# Altium PCB NODE_ABZ.PcbDoc (part 2 of 2)
Units mm, origin at the board's own origin, x right, y up, seen from the top; angles counter-clockwise.
Board outline 34 x 50 mm, 4 copper layers (Top Layer, GND, PWR, Bottom Layer), stack 1.57 mm thick; 73 components, 55 nets, 274 pads, 253 vias.
Unrouted connection lines stored in the file: 1.
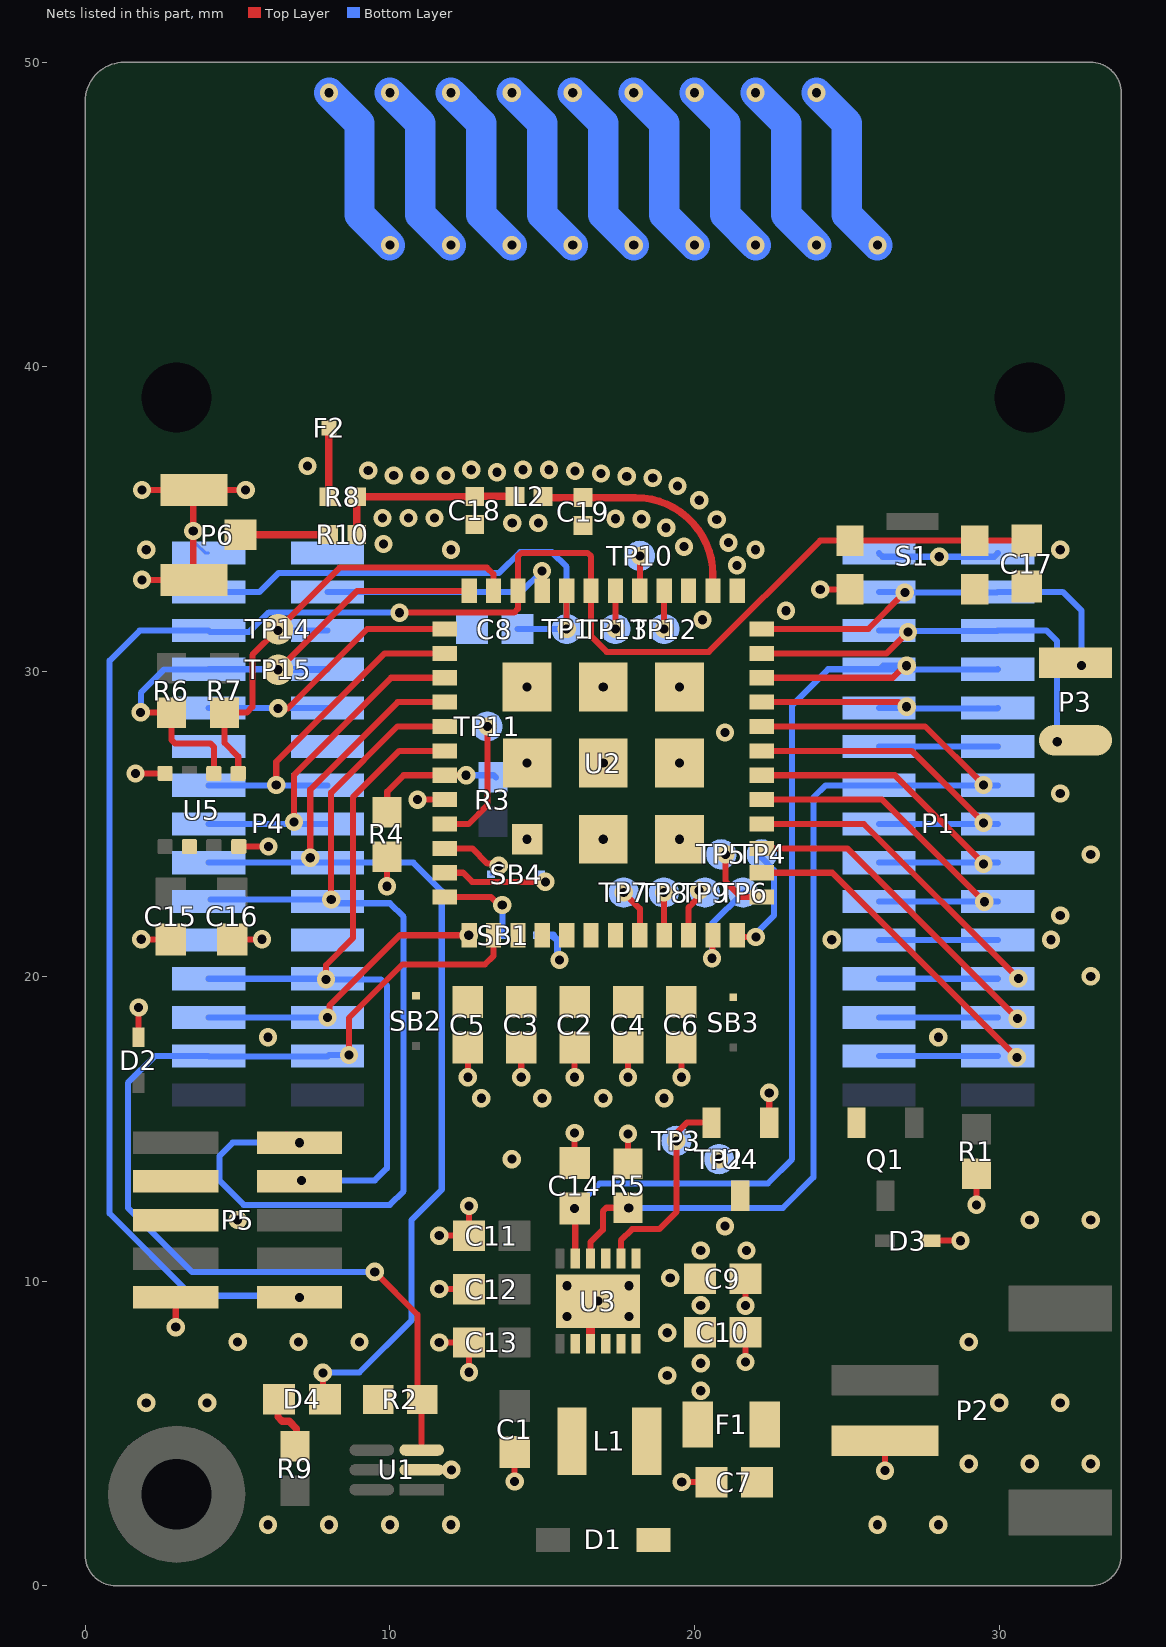
[diagram p4: the nets of this part, all layers, seen from the top]

## Via types
v1: diameter 0.6, hole 0.3, Top Layer to Bottom Layer, tented both sides, 225 vias
v2: diameter 0.6, hole 0.3, Top Layer to Bottom Layer, 20 vias
v3: diameter 0.68, hole 0.3, Top Layer to Bottom Layer, tented both sides, 8 vias

## Nets (pads, with @x,y where several pads share a name; then routed paths per layer and width w, separated by ;. In a path a pad name is that pad's centre, name@x,y a point inside that pad or via, vN(x,y) a via of type N, cw(c..) or ccw(c..) an arc to the next point about the centre after c; other vN are vias at no path point) (continued)
+VREF: C8.1 P4.4 TP1.1 U2.32 | length 17.4
  Top Layer w0.2: v1(15.8,31.4) U2.32@15.8,32.65
  Bottom Layer w0.2: P4.4@4.05,32.62 5.722,32.62 6.343,33.241 13.582,33.241 14.268,33.927 15.31,33.927 15.8,33.436 v1(15.8,31.4) C8.1@14.186,31.4
+Vsupply: C9.2 C10.2 F1.2 TP2.1 U3.1 U3.12 U4.3
  other v1: 20.2,6.4 19.1,6.9 20.2,7.3 19.1,8.3 20.2,9.2 19.2,10.1 20.2,11 21.7,11 21,11.8 20.8,14
ANT: C19.2 L2.2 U2.26 | length 7.7
  Top Layer w0.242: L2.2@15.02,35.868 ccw(c15.06,35.868) L2.2@15.06,35.828 ; L2.2@15.06,35.714 C19.2@16.336,35.714 18.06,35.714 cw(c18.06,33.174) 20.6,33.174 ; U2.26@20.6,32.65 20.6,33.288
GND: C1.1 C2.1 C3.1 C4.1 C5.1 C6.1 C7.1 C8.2 C9.1 C10.1 C11.1 C12.1 C13.1 C14.1 C15.1 C16.1 C17.2 C18.1 C19.1 D2.1 D3.1 P1.1 P1.2 P1.11 P1.12 P1.21 P1.22 P2.1 P4.1 P4.2 P4.11 P4.12 P4.21 P4.22 P5.3 P5.5 P5.9 P6.2 R1.2 R2.1 R4.2 R5.1 S1.2 U1.2 U2.3 U2.7 U2.25 U2.27 U2.44 U2.49 U2.50 U2.51 U2.52 U2.53 U2.54 U2.55 U2.56 U2.57 U3.3 U3.9 U3.10 U3.13 U4.1 U5.1 U5.5 U5.7 | length 54
  Top Layer w0.2: v1@1.544,26.659 U5.1@2.619,26.659 ; v1@1.736,21.215 C15.1@2.811,21.215 ; D2.1@1.75,18 v1@1.75,19.075 ; v1(1.862,33.014) P6.2@3.562,33.014 3.543,33.033 3.543,35.946 P6.2@3.562,35.964 ; v1(1.862,35.964) P6.2@3.562,35.964 ; v1@2.968,8.385 v1(2.968,8.485) P5.9@2.968,9.46 ; C16.1@4.827,21.215 v1@5.902,21.215 ; U5.5@5.039,24.259 v1@6.114,24.259 ; v1(5.262,35.964) P6.2@3.562,35.964 ; v1@9.899,22.856 R4.2@9.899,23.931 ; v1(10.9,25.8) U2.44@11.8,25.8 ; U1.2@11.04,3.802 v1(12.015,3.802) v1@12.115,3.802 ; v1@11.516,7.982 v1(11.616,7.982) C13.1@12.591,7.982 v1(12.591,7.007) v1@12.591,6.907 ; v1@11.516,9.735 v1(11.616,9.735) C12.1@12.591,9.735 ; v1@11.516,11.488 v1(11.616,11.488) C11.1@12.591,11.488 v1(12.591,12.463) v1@12.591,12.563 ; v1@12.556,16.586 v1(12.556,16.686) C5.1@12.556,17.661 ; v1@14.091,3.317 C1.1@14.091,4.392 ; v1@14.309,16.586 v1(14.309,16.686) C3.1@14.309,17.661 ; C14.1@16.062,13.879 v1(16.062,14.854) v1@16.062,14.954 ; v1@16.062,16.586 v1(16.062,16.686) C2.1@16.062,17.661 ; R5.1@17.815,13.854 v1(17.815,14.829) v1@17.815,14.929 ; v1@17.815,16.586 v1(17.815,16.686) C4.1@17.815,17.661 ; v1@19.475,3.4 v1(19.575,3.4) C7.1@20.55,3.4 ; v1@19.568,16.586 v1(19.568,16.686) C6.1@19.568,17.661 ; v1@21.67,7.239 v1(21.67,7.339) C10.1@21.67,8.314 ; v1@21.67,8.992 v1(21.67,9.192) C9.1@21.67,10.067 ; U4.1@22.45,15.2 v1(22.45,16.175) v1@22.45,16.275 ; v1(24.125,32.7) S1.2@25.1,32.7 ; v1@26.25,3.675 v1(26.25,3.775) P2.1@26.25,4.75 ; D3.1@27.75,11.323 v1(28.725,11.323) v1@28.825,11.323 ; v1@29.25,12.4 v1(29.25,12.5) R1.2@29.25,13.475 ; R1.2@29.25,13.525 R1.2@29.3,13.475
  Top Layer w0.3: U3.9@16.581,7.938 16.581,9.088 v1(16.831,9.338)
  Bottom Layer w0.102: P4.2@3.619,34.219 3.949,33.89 P4.2@4.05,33.89
  Bottom Layer w0.2: P1.22@26.05,21.19 P1.21@29.95,21.19 ; P1.12@26.05,27.54 P1.11@29.95,27.54 ; P1.2@26.05,33.89 26.167,33.773 29.833,33.773 P1.1@29.95,33.89
  other v1: 6,2 8,2 10,2 12,2 26,2 28,2 14.091,3.417 29,4 31,4 33,4 2,6 4,6 30,6 32,6 5,8 7,8 9,8 29,8 15.815,8.83 17.847,8.83 15.815,9.846 17.847,9.846 5,12 31,12 33,12 14,14 13,16 15,16 17,16 19,16 6,18 28,18 1.75,18.975 33,20 24.5,21.2 31.7,21.2 1.836,21.215 5.802,21.215 32,22 9.899,22.956 33,24 6.014,24.259 32,26 1.644,26.659 21,28 20.256,31.704 23,32 21.387,33.49 28.029,33.773 2,34 12,34 22,34 32,34 19.651,34.104 9.785,34.194 21.112,34.234 3.543,34.62 19.065,34.725 14.015,34.879 14.869,34.879 20.727,34.996 17.404,35.018 18.258,35.005 9.757,35.047 10.611,35.047 11.465,35.047 20.153,35.628 19.438,36.095 18.624,36.356 17.772,36.41 10.126,36.438 10.98,36.438 11.834,36.438 16.923,36.505 13.516,36.547 16.074,36.589 9.288,36.604 12.666,36.629 14.367,36.629 15.221,36.629 7.296,36.753
  other v2: 14.5,27
  other v3: 14.5,24.5 17,24.5 19.5,24.5 17,27 19.5,27 14.5,29.5 17,29.5 19.5,29.5
NetC7_2: C7.2 D1.2 F1.1 Q1.2
NetC18_2: C18.2 L2.1 R8.2 R10.2 | length 6.4
  Top Layer w0.242: R10.2@8.911,34.506 R8.2@8.911,35.743 C18.2@12.784,35.743 ; C18.2@12.784,35.754 L2.1@14.1,35.754 ; C18.2@12.784,35.857 C18.2@12.784,35.868
NetD4_1: D4.1 R9.1 | length 2
  Top Layer w0.242: D4.1@6.363,6.116 6.325,6.078 6.325,5.537 6.466,5.395 6.69,5.395 6.934,5.151 6.934,4.624 R9.1@6.883,4.573
NetF2_1: F2.1 R8.1 | length 2.3
  Top Layer w0.242: R8.1@7.991,35.743 7.991,38 F2.1@8,38
  other v2: 10,44 12,44 14,44 16,44 18,44 20,44 22,44 24,44 26,44 8,49 10,49 12,49 14,49 16,49 18,49 20,49 22,49 24,49
NetL1_1: L1.1 U3.11
NetL1_2: L1.2 U3.8
NetP6_1: P6.1 R10.1 | length 2.9
  Top Layer w0.242: P6.1@5.087,34.489 7.991,34.489 R10.1@7.991,34.506
NetR3_1: R3.1 R4.1 U2.43 | length 4.5
  Top Layer w0.2: R4.1@9.899,25.381 9.91,25.392 9.91,26.064 10.447,26.6 U2.43@11.8,26.6 v1(12.5,26.6)
  Bottom Layer w0.2: v1(12.5,26.6) 13.404,26.6 R3.1@13.476,26.528
NetSB4_1: SB4.1 U2.47 | length 3.4
  Top Layer w0.2: U2.47@11.8,23.4 12.4,23.4 12.7,23.1 v1(15.1,23.1)
NetTP3_1: TP3.1 U3.2 U4.2 | length 6.7
  Top Layer w0.2: U3.2@17.581,10.738 17.581,11.331 17.952,11.702 18.841,11.702 19.399,12.261 19.399,14.851 19.748,15.2 U4.2@20.55,15.2
  other v1: 19.4,14.6
NetTP4_1: TP4.1 U2.12 | length 3.8
  Top Layer w0.2: U2.12@21.4,21.35 21.456,21.294 v1(22.008,21.294)
  Bottom Layer w0.2: v1(22.008,21.294) 22.008,21.402 22.6,21.994 22.6,23.485 22.2,23.885 TP4.1@22.2,24.003
NetTP5_1: TP5.1 U2.13 | length 2.3
  Top Layer w0.2: v1(21.012,24.003) 21.012,23.114 21.526,22.6 U2.13@22.2,22.6
NetTP6_1: TP6.1 U2.11 | length 3.4
  Top Layer w0.2: v1(20.567,20.592) 20.584,20.608 20.584,21.334 U2.11@20.6,21.35
  Bottom Layer w0.2: v1(20.567,20.592) 20.567,21.728 TP6.1@21.591,22.751
NetTP7_1: TP7.1 U2.8 | length 1.6
  Top Layer w0.2: v1(17.672,22.751) 18.2,22.223 U2.8@18.2,21.35
NetTP8_1: TP8.1 U2.9 | length 1.4
  Top Layer w0.2: v1(18.993,22.751) 18.996,22.747 18.996,21.354 U2.9@19,21.35
NetTP9_1: TP9.1 U2.10 | length 1.6
  Top Layer w0.2: U2.10@19.8,21.35 19.8,22.263 v1@20.313,22.776
  other v1: 20.148,22.814
NetTP10_1: TP10.1 U2.29 | length 1.2
  Top Layer w0.2: U2.29@18.2,32.65 18.203,32.653 18.203,33.797 v1(18.205,33.8)
NetTP11_1: TP11.1 U2.45 | length 4.5
  Top Layer w0.2: U2.45@11.8,25 12.58,25 13.2,25.62 v1(13.2,28.2)
  Bottom Layer w0.102: TP11.1@13,28.3 13.1,28.3 v1(13.2,28.2)
NetTP12_1: TP12.1 U2.28 | length 1.2
  Top Layer w0.2: v1(19,31.4) U2.28@19,32.65
NetTP13_1: TP13.1 U2.30 | length 1.2
  Top Layer w0.2: v1(17.4,31.4) U2.30@17.4,32.65
PA0: P4.3 U2.33 | length 8
  Top Layer w0.2: v1(14.992,33.304) 14.996,33.3 14.996,32.654 U2.33@15,32.65
  Bottom Layer w0.2: P4.3@7.95,32.62 14.308,32.62 v1(14.992,33.304)
PA2: P1.3 P1.4 P3.1 U2.24 | length 14
  Top Layer w0.2: U2.24@22.2,31.4 25.7,31.4 v1(26.9,32.6)
  Bottom Layer w0.2: P1.4@26.05,32.62 P1.4@26.8,32.62 ; P1.4@26.8,32.7 v1(26.9,32.6) ; P1.4@26.9,32.62 26.92,32.6 29.93,32.6 P1.3@29.95,32.62 32.08,32.62 32.7,32 v1(32.7,30.2)
PA3: P1.5 P1.6 P3.2 U2.23 | length 14.5
  Top Layer w0.2: U2.23@22.2,30.6 26.3,30.6 v1(27,31.3)
  Bottom Layer w0.2: P1.6@26.05,31.35 P1.6@26.95,31.35 ; v1(27,31.3) P1.6@26.95,31.35 ; v1(31.9,27.7) 31.9,31 31.55,31.35 P1.5@29.95,31.35 29.936,31.336 26.964,31.336 P1.6@26.95,31.35
PA4: C14.2 P1.7 P1.8 U2.22 U3.5 | length 37.5
  Top Layer w0.2: v1(16.062,12.379) 16.081,12.361 U3.5@16.081,10.738 ; U2.22@22.2,29.8 26.503,29.8 26.896,30.193 v1(26.958,30.193)
  Bottom Layer w0.2: v1(16.062,12.379) 16.883,13.2 22.4,13.2 23.2,14 23.2,28.9 24.38,30.08 P1.8@26.05,30.08 P1.8@26.078,30.08 ; v1(26.958,30.193) 26.191,30.193 P1.8@26.078,30.08 ; P1.7@29.95,30.08 29.936,30.066 26.972,30.066 26.958,30.08 P1.8@26.078,30.08
PA5: P1.9 P1.10 U2.21 | length 9.7
  Top Layer w0.2: U2.21@22.2,29 26.697,29 26.85,28.847 v1(26.958,28.847)
  Bottom Layer w0.2: v1(26.958,28.847) 26.115,28.847 26.078,28.81 P1.10@26.05,28.81 26.958,28.81 26.972,28.796 29.936,28.796 P1.9@29.95,28.81
PA8: P1.13 P1.14 R5.2 U2.20 U3.4 | length 35.9
  Top Layer w0.2: U3.4@16.581,10.738 16.581,11.271 16.986,11.676 16.986,12.287 17.103,12.404 R5.2@17.815,12.404 17.819,12.4 v1(17.837,12.4) ; U2.20@22.2,28.2 27.564,28.2 v1(29.483,26.281)
  Bottom Layer w0.2: v1(17.837,12.4) 22.9,12.4 23.9,13.4 23.9,25.87 24.3,26.27 P1.14@26.05,26.27 29.483,26.27 P1.13@29.95,26.27
PA9: P1.15 P1.16 U2.19 | length 12.2
  Top Layer w0.2: U2.19@22.2,27.4 27.12,27.4 v1(29.483,25.037)
  Bottom Layer w0.2: P1.16@26.05,25 P1.15@29.95,25
PA10: P1.17 P1.18 U2.18 | length 12.4
  Top Layer w0.2: U2.18@22.2,26.6 26.573,26.6 v1(29.483,23.691)
  Bottom Layer w0.2: P1.18@26.05,23.73 P1.17@29.95,23.73
PA11: P4.27 P4.28 R2.2 U1.3 U2.2 | length 34.7
  Top Layer w0.2: v1(8.655,17.417) 8.655,18.636 10.407,20.389 13.116,20.389 13.4,20.673 U2.2@13.4,21.35 ; v1(9.5,10.3) 10.9,8.9 10.9,6.141 10.95,6.091 11.04,6 U1.3@11.04,4.452
  Bottom Layer w0.2: v1(8.655,17.417) 8.001,17.417 7.95,17.366 4.064,17.366 P4.28@4.05,17.38 2.28,17.38 1.4,16.5 1.4,12.4 3.5,10.3 v1(9.5,10.3)
PA12: P4.25 P4.26 SB1.3 U2.1 | length 9.9
  Top Layer w0.2: v1(7.95,18.65) 8.013,18.713 8.013,19.036 10.327,21.35 U2.1@12.6,21.35 v1(12.584,21.35)
  Bottom Layer w0.2: P4.26@4.05,18.65 v1(7.95,18.65) ; v1(12.584,21.35) SB1.3@12.6,21.35
PA13: P4.19 P4.20 P5.2 U2.41 | length 34.4
  Top Layer w0.2: P5.2@6.601,14.808 6.869,14.54 v1(7.032,14.54) ; v1(8.071,22.522) 8.071,26.027 10.243,28.2 U2.41@11.8,28.2
  Bottom Layer w0.2: P4.20@4.112,22.522 v1(8.071,22.522) 8.193,22.4 10,22.4 10.45,21.95 10.45,12.95 10,12.5 5.2,12.5 4.4,13.3 4.4,14.1 4.84,14.54 v1(7.032,14.54)
PA14: P4.23 P4.24 P5.4 U2.42 | length 24.9
  Top Layer w0.2: v1(7.9,19.9) 7.9,20.37 8.782,21.252 8.782,25.875 10.307,27.4 U2.42@11.8,27.4
  Bottom Layer w0.2: P4.24@4.05,19.92 P4.23@7.95,19.92 ; v1(7.1,13.3) 9.5,13.3 9.9,13.7 9.9,19.7 9.7,19.9 v1(7.9,19.9)
PB2: P4.9 P4.10 U2.37 | length 10.1
  Top Layer w0.2: 6.648,28.796 6.725,28.873 9.252,31.4 U2.37@11.8,31.4
  Bottom Layer w0.2: P4.10@4.05,28.81 P4.9@7.95,28.81
  other v1: 6.329,28.796
PB5: D4.2 P4.17 P4.18 U2.40 | length 34.9
  Top Layer w0.2: v1(7.385,23.894) 7.385,26.129 10.256,29 U2.40@11.8,29 ; v1(7.798,6.985) 7.798,6.181 D4.2@7.863,6.116
  Bottom Layer w0.2: P4.18@4.05,23.73 P4.17@7.95,23.73 10.77,23.73 11.7,22.8 11.7,13 10.7,12 10.7,8.7 9,7 7.813,7 v1(7.798,6.985)
PB6: P4.15 P4.16 U2.39 | length 11.7
  Top Layer w0.2: v1(6.851,25.062) 6.851,26.612 10.04,29.8 U2.39@11.8,29.8
  Bottom Layer w0.2: P4.16@4.05,25 P4.15@7.95,25
PB7: P4.13 P4.14 U2.38 | length 11.7
  Top Layer w0.2: v1(6.267,26.281) 6.267,27.043 9.824,30.6 U2.38@11.8,30.6
  Bottom Layer w0.2: P4.14@4.05,26.27 P4.13@7.95,26.27
PB8: P4.5 R7.1 TP14.1 U2.35 U5.4 | length 16.3
  Top Layer w0.2: U5.4@5.019,26.659 5.019,27.213 4.574,27.658 R7.1@4.574,28.655 5.3,28.655 5.486,28.842 5.486,30.551 6.291,31.356 v1(6.329,31.356) TP14.1@6.329,31.394 8.349,33.414 13.183,33.414 13.399,33.198 13.399,32.651 U2.35@13.4,32.65
  Bottom Layer w0.2: v1(6.329,31.356) 7.944,31.356 P4.5@7.95,31.35
PB9: P4.7 P4.8 R6.1 TP15.1 U2.36 U5.3 | length 20.3
  Top Layer w0.2: v1(1.816,28.664) 2.814,28.664 R6.1@2.823,28.655 2.823,27.765 2.94,27.648 4.102,27.648 4.219,27.531 U5.3@4.219,26.659 ; v1(6.329,30.061) 8.919,32.65 U2.36@12.6,32.65
  Bottom Layer w0.2: v1(1.816,28.664) 1.823,28.671 1.823,29.306 2.591,30.074 4.044,30.074 P4.8@4.05,30.08 P4.7@7.95,30.08 7.931,30.061 v1(6.329,30.061)
PB12: P1.19 P1.20 U2.17 | length 12.6
  Top Layer w0.2: U2.17@22.2,25.8 26.154,25.8 v1(29.508,22.446)
  Bottom Layer w0.2: P1.20@26.05,22.46 P1.19@29.95,22.46
PB13: P1.23 P1.24 U2.16 | length 14.4
  Top Layer w0.2: U2.16@22.2,25 25.557,25 v1(30.626,19.931)
  Bottom Layer w0.2: P1.24@26.05,19.92 P1.23@29.95,19.92
PB14: P1.25 P1.26 U2.15 | length 14.6
  Top Layer w0.2: U2.15@22.2,24.2 25.011,24.2 v1(30.6,18.611)
  Bottom Layer w0.2: P1.26@26.05,18.65 P1.25@29.95,18.65
PB15: P1.27 P1.28 U2.14 | length 14.8
  Top Layer w0.2: U2.14@22.2,23.4 24.516,23.4 v1(30.575,17.341)
  Bottom Layer w0.2: P1.28@26.05,17.38 P1.27@29.95,17.38
RST: C17.1 P4.6 P5.10 S1.1 U2.31 U2.34 | length 62.5
  Top Layer w0.2: v1(10.316,31.935) 14.073,31.935 14.2,32.063 U2.34@14.2,32.65 14.2,33.784 14.317,33.901 16.483,33.901 16.6,33.784 U2.31@16.6,32.65 16.6,31.163 17.113,30.65 20.466,30.65 24.116,34.3 S1.1@25.1,34.3 S1.1@29.2,34.3 C17.1@30.903,34.3
  Bottom Layer w0.2: v1(7.032,9.46) 6.975,9.517 3.499,9.517 0.8,12.216 0.8,30.365 1.785,31.35 P4.6@4.05,31.35 4.094,31.305 5.385,31.305 6.025,31.946 10.306,31.946 v1(10.316,31.935)
TCXO_OUT: SB4.2 U2.46 | length 2.4
  Top Layer w0.2: U2.46@11.8,24.2 12.7,24.2 13.2,23.7 13.502,23.7 v1(13.575,23.627)
  Bottom Layer w0.102: SB4.2@13.314,23.352 13.575,23.613 v1(13.575,23.627)
VDD_MCU: C2.2 C3.2 C5.2 SB1.1 SB2.2 U2.4 U2.5 | length 1.4
  Bottom Layer w0.242: SB1.1@14.829,21.35 15.359,21.35 15.359,21.317 15.497,21.179 15.497,20.603 v2(15.566,20.534)
VDD_RF: C4.2 C6.2 SB3.2 U2.6
VDD_TCXO: SB1.2 U2.48 | length 3
  Top Layer w0.2: U2.48@11.8,22.6 13.32,22.6 13.576,22.344 v1(13.684,22.344)
  Bottom Layer w0.2: v1(13.684,22.344) 13.699,22.329 13.699,21.365 SB1.2@13.714,21.35
pads on no net: P2.MP1 P2.MP2 P5.6 P5.7 P5.8 S1.GND screw1.H1 screw2.H1 screw3.H1 U1.4

## Polygon pours and split planes (outlines as drawn)
GND on Bottom Layer "VIN_L-01_P-001" (solid, remove dead copper, pour order 28): 0,37 0,1 ccw(c1,1) 1,0 33,0 ccw(c33,1) 34,1 34,37
+Vin on Bottom Layer "VIN_L-01_P-001" (solid, pour order 27): 1.1,17 5.7,17 5.7,14.8 1.1,14.8
+3V3_SEN on Bottom Layer "VIN_L-01_P-001" (solid, pour order 25): 28.5,15.5 28.5,17.76 33.5,17.76 33.5,15.5
+Vbat on Bottom Layer "VIN_L-01_P-001" (solid, pour order 19): 24.5,16.8 27.7,16.8 27.7,13.2 24.5,13.2
GND on Top Layer "VIN_L-01_P-001" (solid, remove dead copper, pour order 30): 0,37 0,1 ccw(c1,1) 1,0 33,0 ccw(c33,1) 34,1 34,37
+3V3_SEN on Top Layer "VIN_L-01_P-001" (solid, pour order 23): 5.5,4 5.5,2.6 10.077,2.6 10.077,5.1 5.5,5.1
+3V3_SEN on Top Layer "VIN_L-01_P-001" (solid, pour order 17): 2,29.2 5.585,29.2 5.585,31.3 2,31.3
VDD_MCU on Top Layer "VIN_L-01_P-001" (solid, pour order 7): 16.3,22 16.3,18.5 10.1,18.5 10.1,20.4 14.75,20.4 14.75,22
GND on Top Layer "VIN_L-01_P-001" (solid, pour order 0): 16.431,8.7 16.731,8.7 16.731,7.613 16.431,7.613
+3V3 on Top Layer "VIN_L-01_P-001" (solid, pour order 4): 13.2,5 13.2,12.5 15.8,12.5 15.8,5
+Vsupply on Top Layer "VIN_L-01_P-001" (solid, pour order 1): 17.847,4.537 20.9,4.537 20.9,11.3 17.847,11.3
+3V3 on Top Layer "VIN_L-01_P-001" (solid, pour order 26): 6.5,16.9 6.5,15.2 11.6,15.2 11.6,16.9
+3V3 on Top Layer "VIN_L-01_P-001" (solid, pour order 14): 10.1,18.547 10.1,15.2 11.6,15.2 11.6,18.547
+Vin on Top Layer "VIN_L-01_P-001" (solid, pour order 22): 1,14 1,17 5.1,17 5.1,14
+Vsupply on Top Layer "VIN_L-01_P-001" (solid, pour order 12): 20,10.669 20,14 22,14 22,10.669
NetC7_2 on Top Layer "VIN_L-01_P-001" (solid, pour order 20): 23.7,15.7 26.1,15.7 26.1,14.4 23.7,14.4
+3V3_SEN on Top Layer "VIN_L-01_P-001" (solid, pour order 18): 3.169,27.1 3.169,26 1.5,26 1.5,25.2 3.9,25.2 3.9,27.1
+3V3_SEN on Top Layer "VIN_L-01_P-001" (solid, pour order 16): 1.5,22 6.3,22 6.3,23.5 4.6,23.5 4.6,24.8 3.8,24.8 3.8,23.5 3,23.5 3,25.5 1.5,25.5
+3V3 on Top Layer "VIN_L-01_P-001" (solid, pour order 10): 13.3,6.5 12.2,6.5 12.2,3.614 10.132,3.614 10.132,2.7 13.3,2.7
+3V3 on Top Layer "VIN_L-01_P-001" (solid, pour order 13): 20.5,18.549 20.5,15.8 22.3,15.8 22.3,18.549
NetL1_1 on Top Layer "VIN_L-01_P-001" (solid, pour order 11): 17.4,8.263 17.4,3.4 19,3.4 19,7.3 17.731,7.3 17.731,8.263
+Vin on Top Layer "VIN_L-01_P-001" (solid, pour order 9): 13.1,2.7 16.5,2.7 16.5,0.5 13.1,0.5
NetC7_2 on Top Layer "VIN_L-01_P-001" (solid, pour order 8): 17.5,2.7 21.6,2.7 21.6,15.7 23.7,15.7 23.7,0.5 17.5,0.5
VDD_RF on Top Layer "VIN_L-01_P-001" (solid, pour order 6): 16.3,22 17,22 17,20.4 22.3,20.4 22.3,18.4 16.3,18.4
NetL1_2 on Top Layer "VIN_L-01_P-001" (solid, pour order 5): 15.2,3.4 16.7,3.4 16.7,7.3 16.231,7.3 16.231,8.263 15.9,8.263 15.9,7.3 15.2,7.3
+Vin on Top Layer "VIN_L-01_P-001" (solid, pour order 3): 26.5,15.8 32.6,15.8 32.6,14 26.5,14
+Vbat on Top Layer "VIN_L-01_P-001" (solid, pour order 2): 23.7,5.5 27.9,5.5 27.9,14.3 23.804,14.3
+Vin on PWR (split plane): 5.173,2.71 5.182,2.661 5.21,2.62 5.251,2.592 5.3,2.583 23.594,2.583 23.617,2.567 23.666,2.557 23.715,2.567 23.738,2.583 27.883,2.583 27.931,2.592 27.973,2.62 28,2.661 28.01,2.71 28.01,15.435 33.49,15.435 33.49,1 33.491,0.988 33.482,0.904 33.454,0.812 33.409,0.727 33.348,0.652 33.273,0.591 33.188,0.546 33.096,0.518 33.012,0.509 33,0.51 1,0.51 0.988,0.509 0.904,0.518 0.812,0.546 0.727,0.591 0.652,0.652 0.591,0.727 0.546,0.812 0.518,0.904 0.509,0.988 0.51,1 0.51,16.756 5.173,16.756
+3V3_SEN on PWR (split plane): 33.49,15.69 28.01,15.69 28.01,17.169 28,17.218 27.973,17.259 27.931,17.287 27.883,17.297 23.819,17.297 23.819,33.827 23.809,33.875 23.782,33.917 23.74,33.944 23.692,33.954 10.104,33.954 10.055,33.944 10.014,33.917 9.986,33.875 9.976,33.827 9.976,16.973 9.976,2.838 5.427,2.838 5.427,16.752 5.468,16.793 5.496,16.835 5.506,16.883 5.496,16.932 5.468,16.974 5.427,17.001 5.378,17.011 0.51,17.011 0.51,36.873 33.49,36.873
+Vbat on PWR (split plane): 27.755,15.658 27.747,15.653 27.72,15.611 27.71,15.563 27.72,15.514 27.747,15.472 27.755,15.467 27.755,2.838 23.819,2.838 23.819,15.6 23.819,17.042 27.755,17.042
+3V3 on PWR (split plane): 23.564,17.169 23.564,15.727 18.002,15.727 17.953,15.718 17.912,15.69 17.884,15.649 17.875,15.6 17.875,2.839 17.873,2.838 10.231,2.838 10.231,16.973 10.231,33.699 23.564,33.699
+Vsupply on PWR (split plane): 23.564,2.838 18.129,2.838 18.129,15.473 23.564,15.473
GND on GND (split plane): 33.49,1 33.491,0.988 33.482,0.904 33.454,0.812 33.409,0.727 33.348,0.652 33.273,0.591 33.188,0.546 33.096,0.518 33.012,0.509 33,0.51 1,0.51 0.988,0.509 0.904,0.518 0.812,0.546 0.727,0.591 0.652,0.652 0.591,0.727 0.546,0.812 0.518,0.904 0.509,0.988 0.51,1 0.51,37 33.49,37

## Other copper
Top Layer:
  pour cut-out: 0,37 0,48.73 cw(c1.27,48.73) 1.27,50 33,50 cw(c33,49) 34,49 34,37
  region net GND: 16.931,7.613 17.231,7.613 17.231,11.063 16.931,11.063
Bottom Layer:
  pour cut-out: 0,37 0,48.73 cw(c1.27,48.73) 1.27,50 33,50 cw(c33,49) 34,49 34,37
GND (plane layer: these items are gaps in the copper):
  pour cut-out: 0,37 0,48.73 cw(c1.27,48.73) 1.27,50 33,50 cw(c33,49) 34,49 34,37
PWR (plane layer: these items are gaps in the copper):
  pour cut-out: 0,37 0,48.73 cw(c1.27,48.73) 1.27,50 33,50 cw(c33,49) 34,49 34,37
  lines w0.25: -0.032,16.883 5.378,16.883 5.3,16.805 5.3,2.71 27.883,2.71 27.883,15.563 ; 0,37 34,37 ; 10.104,2.737 10.104,16.973 10.104,33.827 23.692,33.827 23.692,17.169 ; 17.926,2.71 18.002,2.786 18.002,15.6 23.692,15.6 ; 23.666,2.685 23.692,2.71 23.692,15.6 ; 33.928,15.563 27.837,15.563 27.883,15.563 ; 23.692,15.6 23.692,17.169 ; 23.692,17.169 26.231,17.169 27.883,17.169 27.883,15.563

## Silkscreen, mask and mechanical layers (free items; w line width, h text height)
Top Overlay:
  drawing of 65 lines, arcs and shapes, not listed
  text "TX" at 28.95,29.85 h0.9
  text "RX" at 29.15,27.55 h0.9
Bottom Overlay:
  drawing of 104 lines, arcs and shapes, not listed
Mechanical 1:
  lines w0.25: 0.135,13 34.135,13 ; 0,48.73 cw(c1.27,48.73) 1.27,50 33,50 cw(c33,49) 34,49 ; 0,48.73 0,37 34,37 34,49 ; 0,48.73 0,1 ccw(c1,1) 1,0 17,0 33,0 ccw(c33,1) 34,1 34,49
Top Courtyard:
  drawing of 253 lines, arcs and shapes, not listed
Drill Drawing:
  circle w0.15: c45.516,18.312 r0.299
  lines w0.15: 44.662,17.609 109.173,17.609 ; 44.662,20.301 109.173,20.301 ; 49.797,16.263 49.797,21.647 ; 55.3,16.263 55.3,21.647 ; 65.289,16.263 65.289,21.647 ; 70.021,16.263 70.021,21.647 ; 76.798,16.263 76.798,21.647 ; 90.374,16.263 90.374,21.647 ; 95.86,16.263 95.86,21.647 ; 102.745,16.263 102.745,21.647 ; 44.662,16.263 109.173,16.263 109.173,21.647 44.662,21.647 44.662,16.263 ; 45.217,19.359 45.815,19.359 45.815,19.957 45.217,19.957 45.217,19.359
  lines w0.381: 46.379,24.295 53.798,24.295 70.432,24.295 85.826,24.295 97.498,24.295 107.753,24.295 ; 46.379,26.423 53.798,26.423 70.432,26.423 85.826,26.423 97.498,26.423 107.753,26.423 ; 46.379,28.55 53.798,28.55 70.432,28.55 85.826,28.55 97.498,28.55 107.753,28.55 ; 46.379,30.677 53.798,30.677 70.432,30.677 85.826,30.677 97.498,30.677 107.753,30.677 ; 46.379,32.804 53.798,32.804 70.432,32.804 85.826,32.804 97.498,32.804 107.753,32.804 ; 46.379,34.931 53.798,34.931 70.432,34.931 85.826,34.931 97.498,34.931 107.753,34.931 ; 46.379,37.058 53.798,37.058 70.432,37.058 85.826,37.058 97.498,37.058 107.753,37.058 ; 46.379,39.185 53.798,39.185 70.432,39.185 85.826,39.185 97.498,39.185 107.753,39.185 ; 46.379,41.312 53.798,41.312 70.432,41.312 85.826,41.312 97.498,41.312 107.753,41.312 ; 46.379,43.439 53.798,43.439 70.432,43.439 85.826,43.439 97.498,43.439 107.753,43.439 ; 46.379,45.566 107.753,45.566 ; 53.798,47.693 53.798,22.168 ; 70.432,47.693 70.432,22.168 ; 85.826,47.693 85.826,22.168 ; 97.498,47.693 97.498,22.168 ; 53.798,22.168 46.379,22.168 46.379,47.693 107.753,47.693 107.753,22.168 97.498,22.168 ; 53.798,22.168 70.432,22.168 ; 70.432,22.168 85.826,22.168 ; 85.826,22.168 97.498,22.168
  text "Layer" at 47.697,46.098 h1.06
  text "Name" at 55.116,46.098 h1.06
  text "Material" at 71.75,46.098 h1.06
  text "Thickness" at 87.143,46.098 h1.06
  text "Constant" at 98.815,46.098 h1.06
  text "Top Overlay" at 55.116,43.971 h1.06
  text "Top Solder" at 55.116,41.844 h1.06
  text "Solder Resist" at 71.75,41.844 h1.06
  text "0.013mm" at 87.143,41.844 h1.06
  text "3.8" at 98.815,41.844 h1.06
  text "1" at 47.697,39.717 h1.06
  text "Top Layer" at 55.116,39.717 h1.06
  text "0.035mm" at 87.143,39.717 h1.06
  text "Dielectric 1" at 55.116,37.59 h1.06
  text "7628" at 71.75,37.59 h1.06
  text "0.200mm" at 87.143,37.59 h1.06
  text "4.6" at 98.815,37.59 h1.06
  text "2" at 47.697,35.463 h1.06
  text "GND" at 55.116,35.463 h1.06
  text "0.018mm" at 87.143,35.463 h1.06
  text "Core" at 55.116,33.336 h1.06
  text "FR-4" at 71.75,33.336 h1.06
  text "1.065mm" at 87.143,33.336 h1.06
  text "4.5" at 98.815,33.336 h1.06
  text "3" at 47.697,31.208 h1.06
  text "PWR" at 55.116,31.208 h1.06
  text "0.018mm" at 87.143,31.208 h1.06
  text "Dielectric 2" at 55.116,29.081 h1.06
  text "7628" at 71.75,29.081 h1.06
  text "0.200mm" at 87.143,29.081 h1.06
  text "4.6" at 98.815,29.081 h1.06
  text "4" at 47.697,26.954 h1.06
  text "Bottom Layer" at 55.116,26.954 h1.06
  text "0.035mm" at 87.143,26.954 h1.06
  text "Bottom Solder" at 55.116,24.827 h1.06
  text "Solder Resist" at 71.75,24.827 h1.06
  text "0.013mm" at 87.143,24.827 h1.06
  text "3.8" at 98.815,24.827 h1.06
  text "Bottom Overlay" at 55.116,22.7 h1.06
  text "Symbol" at 45.469,20.705 h0.65
  text "Count" at 50.201,20.705 h0.65
  text "Hole Size" at 55.704,20.705 h0.65
  text "Plated" at 65.692,20.705 h0.65
  text "Hole Type" at 70.425,20.705 h0.65
  text "Drill Layer Pair" at 77.202,20.705 h0.65
  text "Via/Pad" at 90.778,20.705 h0.65
  text "Pad Shape" at 96.264,20.705 h0.65
  text "Template" at 103.149,20.705 h0.65
  text "253" at 50.201,19.359 h0.54
  text "0.300mm (11.81mil)" at 55.704,19.359 h0.54
  text "PTH" at 65.692,19.359 h0.54
  text "Round" at 70.425,19.359 h0.54
  text "Top Layer - Bottom Layer" at 77.202,19.359 h0.54
  text "Via" at 90.778,19.359 h0.54
  text "Rounded" at 96.264,19.359 h0.54
  text "(Mixed)" at 103.149,19.359 h0.54
  text "3" at 50.201,18.013 h0.54
  text "2.300mm (90.55mil)" at 55.704,18.013 h0.54
  text "PTH" at 65.692,18.013 h0.54
  text "Round" at 70.425,18.013 h0.54
  text "Top Layer - Bottom Layer" at 77.202,18.013 h0.54
  text "Pad" at 90.778,18.013 h0.54
  text "Rounded" at 96.264,18.013 h0.54
  text "(Mixed)" at 103.149,18.013 h0.54
  text "256 Total" at 50.201,16.667 h0.54

## Dimensions
31,39 to 33,50 on Drill Drawing
31,39 to 34,49 on Drill Drawing
3,39 to 0,48.73 on Drill Drawing
3,39 to 1.27,50 on Drill Drawing
3,3 to 0,0 on Drill Drawing
3,3 to 0,0 on Drill Drawing
33,0 to 33,50 on Drill Drawing
0,1 to 34,1 on Drill Drawing

## Text inside footprints (layer, text, board x,y; h text height)
P1: Bottom Overlay "1" at 30.25,35.5 h1; Bottom Overlay "2" at 26,35.5 h1; Bottom Overlay "29" at 31.25,13.5 h1; Bottom Overlay "30" at 27.25,13.5 h1
P4: Bottom Overlay "1" at 8.25,35.5 h1; Bottom Overlay "2" at 4,35.5 h1; Bottom Overlay "29" at 9.25,13.5 h1; Bottom Overlay "30" at 5.25,13.5 h1
P5: Mechanical 1 "J1" at 4.556,12.435 h0.64 r270